# Altium PCB Mainboard.PcbDoc (part 2 of 4) (continued)
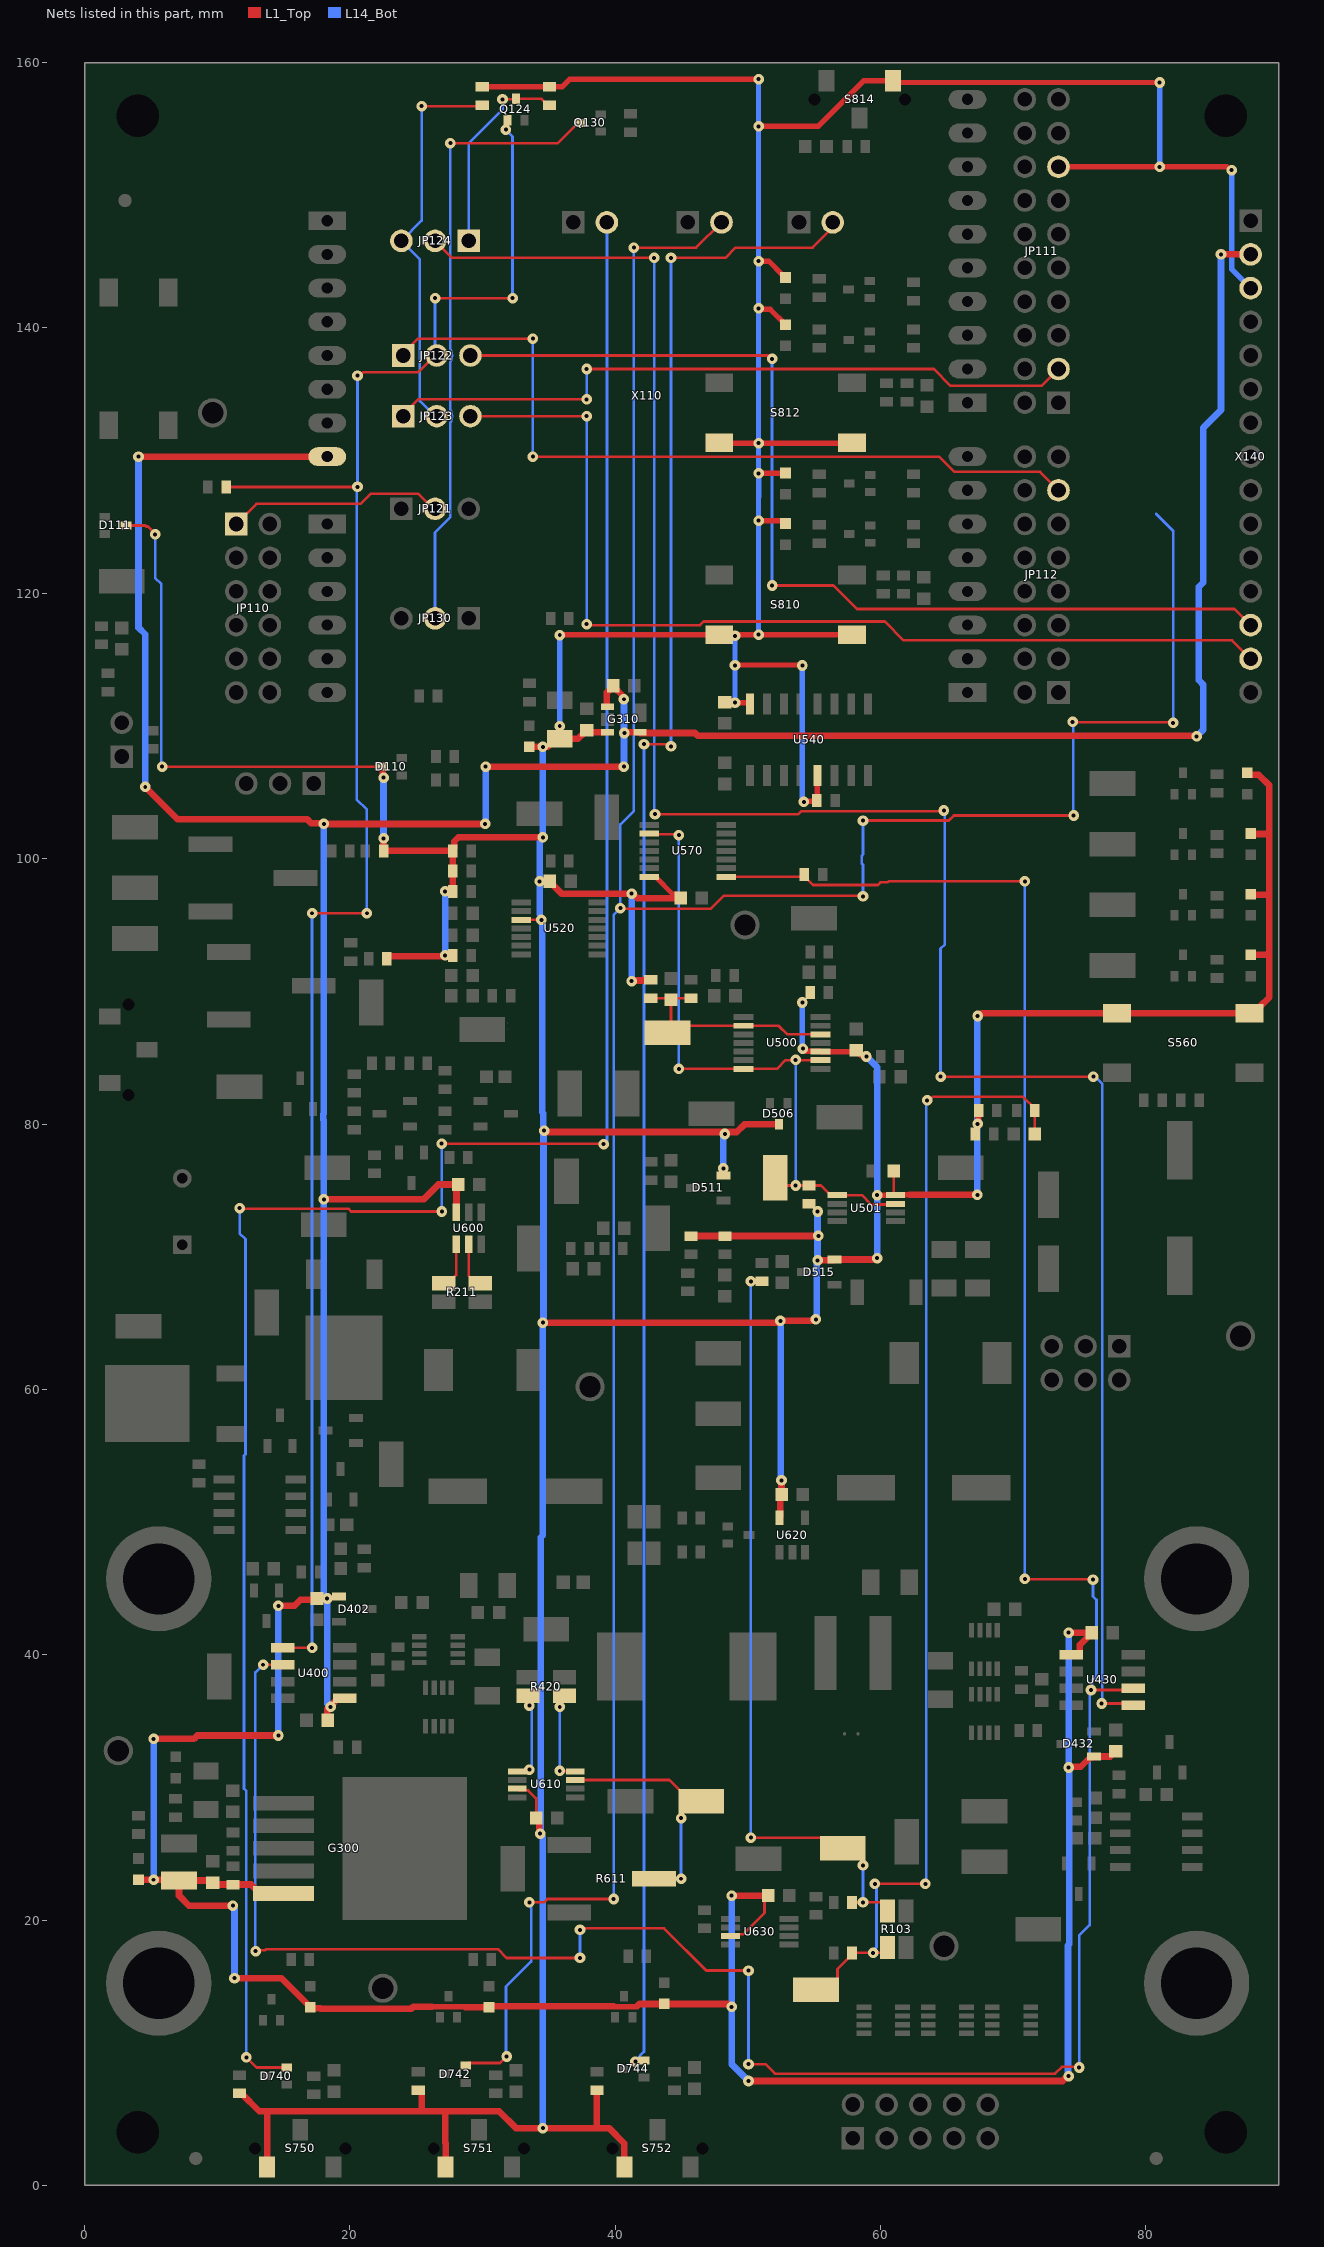
[diagram p2: the nets of this part, all layers, seen from the top]
## Part data (continued)
U410 U440: library part 644198, "General Purpose Timers", Manufacturer=Renesas, Package Description="SOIC,1.27mm pitch;8 pin,3.90mm W X 4.90mm L X 1.75mm H body", Supplier Part Number 1=9663754, Temperature max=85, Temperature min=-25, Temperature Range=Military, Voltage DC (max)=na, Alternate View=Yes, Application="Standard Interface", Article Number=644198, Automotive Qualified=No, Combined Parameters="Standard Interface Clock Buffer;Vdc min/max:2V/18V;Iout:100mA;Fmax:1MHz", ComponentLink1Description="Vendor WebSite", ComponentLink1URL=http://www.renesas.eu/, ComponentLink2Description=Datasheet, ComponentLink2URL=http://webnetprod.muc.infineon.com/PCBPortal_Prod/WorkFlows/AltiumComponent/StandardDocumentation?Versionid=644199, ComponentStatus=Released, Legacy DeviceID=REN_ICM7555IBAZ, Manufacturer Order Number=ICM7555IBAZ, Multiple Parts=No, PackageReference=SOIC-8, Part Type="Integrated Circuit", PLMStatus=Active, QuickPick=SOIC-8, ROHS Compliant=Y, Second Source allowed=Yes, Supplier 1=Farnell, Supplier 2=DigiKey, Supplier 3=Mouser, Supplier Part Number 2=ICM7555IBAZ-TCT-ND, Supplier Part Number 3=968-ICM7555IBAZ, Symbol Type="General Purpose Timer", Type="Clock Buffer", Version Number=V01
U500 U520: library part 409035, "Quad Differential Comparator", Legacy PartNumber=IC02600564, Manufacturer="Texas Instruments", Supplier Part Number 1=2436009, Temperature max=0, Temperature Range=Military, Voltage DC (max)=na, Alternate View=Yes, Article Number=409035, Automotive Qualified=No, Combined Parameters=Res.:-;Fmax:-, ComponentLink1Description="Vendor WebSite", ComponentLink1URL=http://www.ti.com, ComponentLink2Description=Datasheet, ComponentLink2URL=http://webnetprod.muc.infineon.com/PCBPortal_Prod/WorkFlows/AltiumComponent/StandardDocumentation?Versionid=409036, ComponentStatus=Released, Legacy DeviceID=TI_LM339, Manufacturer Order Number=LM339PWR, PackageReference="TSSOP-14 (PW)", Part Type="Analog Parts", PLMStatus=Active, QuickPick="TSSOP-14 (PW)", Second Source allowed=Yes, Supplier 1=Farnell, Supplier 2=DigiKey, Supplier 3=Mouser, Supplier Part Number 2=296-6607-2-ND, Supplier Part Number 3=595-LM339PWR, Symbol Type="Quad Differential Comparator", Temperature min=0, Version Number=V01
U501: library part 648281, "Low-Power Open-Drain Output Comparator", Manufacturer="Microchip Technology", Package Description="SOP,0.65mm pitch;8 pin,3.00mm W X 3.00mm L X 1.10mm H body", Supplier Part Number 1=1834862, Temperature max=125, Temperature min=-40, Temperature Range=Automotive, Voltage DC (max)=na, Alternate View=Yes, Application="Power Electronics", Article Number=648281, Automotive Qualified=No, Combined Parameters=Res.:-;Fmax:4MHz, ComponentLink1Description="Vendor WebSite", ComponentLink1URL=http://www.microchip.com/, ComponentLink2Description=Datasheet, ComponentLink2URL=http://webnetprod.muc.infineon.com/PCBPortal_Prod/WorkFlows/AltiumComponent/StandardDocumentation?Versionid=648282, ComponentStatus=Released, Legacy DeviceID=MT_MCP6567-E/MS, Manufacturer Order Number=MCP6567-E/MS, Multiple Parts=Yes, PackageReference="MSOP-8 (MS)", Part Type="Analog Parts", PLMStatus=Active, QuickPick="Comparator / MSOP-8 (MS)", ROHS Compliant=Y, Second Source allowed=Yes, Supplier 1=Farnell, Supplier 2=DigiKey, Supplier 3=Mouser, Supplier Part Number 2=MCP6567-E/MS-ND, Supplier Part Number 3=579-MCP6567-E/MS, Symbol Type="Low-Power Open-Drain Output Comparator", Type=Comparator, Version Number=V00
U540: library part 648079, "Quad R/S latch with 3-state outputs", Manufacturer=Nexperia, Package Description="SOIC,1.27mm pitch;16 pin,3.90mm W X 9.90mm L X 1.75mm H body", Temperature max=85, Temperature min=-40, Temperature Range=Industrial, Voltage DC (max)=na, Alternate View=No, Article Number=648079, Automotive Qualified=No, Combined Parameters="- Digital;Vdc min/max:3V/15V;Iout:2.4mA;Fmax:-", ComponentLink1Description="Vendor WebSite", ComponentLink1URL=http://www.nexperia.com, ComponentLink2Description=Datasheet, ComponentLink2URL=http://webnetprod.muc.infineon.com/PCBPortal_Prod/WorkFlows/AltiumComponent/StandardDocumentation?Versionid=648080, ComponentStatus=Released, Legacy DeviceID=NEX_HEF4043BT,653, Manufacturer Order Number=HEF4043BT,653, Multiple Parts=No, PackageReference=SO-16, Part Type="Integrated Circuit", PLMStatus=Active, QuickPick=SO-16, ROHS Compliant=Y, Second Source allowed=Yes, Supplier 1=Farnell, Supplier 2=DigiKey, Supplier 3=Mouser, Supplier Part Number 2=1727-1799-1-ND, Supplier Part Number 3=771-HEF4043BT653, Symbol Type="Quad R/S latch with 3-state outputs", Type=Digital, Version Number=V00
U570: library part 648286, "Dual 4-input NOR gate, Inputs also include clamp diodes that enable the use of current limiting resistors", Manufacturer=Nexperia, Package Description="SOP,0.65mm,pitch;14 pin,4.40mm W X 5.00mm L X 1.10mm H body", Supplier Part Number 1=3441850, Temperature max=125, Temperature min=-40, Temperature Range=Automotive, Voltage DC (max)=na, Alternate View=Yes, Application="Power Electronics", Article Number=648286, Automotive Qualified=No, Combined Parameters="Power Electronics Digital;Vdc min/max:2V/6V;Iout:25mA;Fmax:-", ComponentLink1Description="Vendor WebSite", ComponentLink1URL=http://www.nexperia.com, ComponentLink2Description=Datasheet, ComponentLink2URL=http://webnetprod.muc.infineon.com/PCBPortal_Prod/WorkFlows/AltiumComponent/StandardDocumentation?Versionid=648287, ComponentStatus=Released, Legacy DeviceID=NEX_74HC4002PW,118, Manufacturer Order Number=74HC4002PW,118, Multiple Parts=Yes, PackageReference="TSSOP14 (SOT402-1)", Part Type="Integrated Circuit", PLMStatus=Active, QuickPick="TSSOP14 (SOT402-1)", ROHS Compliant=Y, Second Source allowed=Yes, Supplier 1=Farnell, Supplier 2=DigiKey, Supplier 3=Mouser, Supplier Part Number 2=1727-6600-1-ND, Supplier Part Number 3=771-HC4002PW118, Symbol Type="Dual 4-input NOR gate", Type=Digital, Version Number=V00
U600: library part 644045, "Low-Cost, Voltage-Output, High-Side Current-Sense Amplifier", Manufacturer="Maxim Integrated Products", Package Description="SOT,0.95mm pitch;6 pin,1.625mm W X 2.90mm L X 1.45mm H body", Supplier Part Number 1=2515284, Temperature max=125, Temperature min=-40, Temperature Range=Automotive, Voltage DC (max)=na, Alternate View=No, Application="Power Supply", Article Number=644045, Automotive Qualified=Yes, Combined Parameters=Res.:-;Fmax:-, ComponentLink1Description="Vendor WebSite", ComponentLink1URL=http://www.maxim-ic.com/, ComponentLink2Description=Datasheet, ComponentLink2URL=http://webnetprod.muc.infineon.com/PCBPortal_Prod/WorkFlows/AltiumComponent/StandardDocumentation?Versionid=644046, ComponentStatus=Released, Legacy DeviceID=MIP_MAX4073FAUT+T, Manufacturer Order Number=MAX4073FAUT+T, Multiple Parts=No, PackageReference=SOT23-6, Part Type="Analog Parts", PLMStatus=Active, QuickPick="Amplifier / SOT23-6", ROHS Compliant=Y, Second Source allowed=Yes, Supplier 1=Farnell, Supplier 2=DigiKey, Supplier 3=Mouser, Supplier Part Number 2=MAX4073FAUT+TCT-ND, Supplier Part Number 3=700-MAX4073FAUT+T, Symbol Type="Low-Cost, Voltage-Output, High-Side Current-Sense Amplifier", Type=Amplifier, Version Number=V01
U610: library part 645975, "Current Sense Amplifiers Current-Sense Amplifier W / PWM Rejection", Manufacturer="Maxim Integrated Products", Package Description="SOP,0.65mm pitch;8 pin,3.00mm W X 3.00mm L X 1.10mm H body", Supplier Part Number 1=3288156, Temperature max=125, Temperature min=-40, Temperature Range=Automotive, Voltage DC (max)=na, Alternate View=No, Application="Power Electronics", Article Number=645975, Automotive Qualified="AEC Q100", Combined Parameters=Res.:-;Fmax:-, ComponentLink1Description="Vendor WebSite", ComponentLink1URL=http://www.maxim-ic.com/, ComponentLink2Description=Datasheet, ComponentLink2URL=http://webnetprod.muc.infineon.com/PCBPortal_Prod/WorkFlows/AltiumComponent/StandardDocumentation?Versionid=645976, ComponentStatus=Released, Legacy DeviceID=MIP_MAX40056TAUA+, Manufacturer Order Number=MAX40056TAUA+, Multiple Parts=No, PackageReference=uMAX-8, Part Type="Analog Parts", PLMStatus=Active, QuickPick="Amplifier / uMAX-8", ROHS Compliant=Y, Second Source allowed=Yes, Supplier 1=Farnell, Supplier 2=DigiKey, Supplier 3=Mouser, Supplier Part Number 2=175-MAX40056TAUA+-ND, Supplier Part Number 3=700-MAX40056TAUA+, Symbol Type="Bidirectional Current Sense Amplifier with PWM-Rejection", Type=Amplifier, Version Number=V01
U620: library part 646034, "Low- and High-Side Voltage Output, Current-Sense Amplifier", Manufacturer="Texas Instruments", Package Description="SOT,0.95mm pitch;5 pin,1.60mm W X 2.90mm L X 1.45mm H body", Temperature max=125, Temperature min=-40, Temperature Range=Automotive, Voltage DC (max)=na, Alternate View=Yes, Application="Power Electronics", Article Number=646034, Automotive Qualified=No, Combined Parameters=Res.:-;Fmax:-, ComponentLink1Description="Vendor WebSite", ComponentLink1URL=http://www.ti.com, ComponentLink2Description=Datasheet, ComponentLink2URL=http://webnetprod.muc.infineon.com/PCBPortal_Prod/WorkFlows/AltiumComponent/StandardDocumentation?Versionid=646035, ComponentStatus=Released, Legacy DeviceID=TI_INA180A1IDBVR, Manufacturer Order Number=INA180A1IDBVR, Multiple Parts=Yes, PackageReference="SOT-23 (DBV)", Part Type="Analog Parts", PLMStatus=Active, QuickPick="Amplifier / SOT-23 (DBV)", ROHS Compliant=Y, Second Source allowed=Yes, Supplier 1=Farnell, Supplier 2=DigiKey, Supplier 3=Mouser, Supplier Part Number 2=296-47652-1-ND, Supplier Part Number 3=595-INA180A1IDBVR, Symbol Type="1-MHz, High-Precision Current Sense Amplifier", Type=Amplifier, Version Number=V01
U630: library part 648334, "Automotive, High-Voltage, Precision, Rail-to-Rail In, Rail-to-Rail Out Op Amp, Inverter and Motor Control Applications", Manufacturer="Texas Instruments", Package Description="SOP,0.65mm pitch;8 pin,3.00mm W X 3.00mm L X 1.10mm H body", Temperature max=125, Temperature min=-40, Temperature Range=Automotive, Voltage DC (max)=na, Alternate View=Yes, Application="Power Supply", Article Number=648334, Automotive Qualified="AEC Q100", Combined Parameters=Res.:-;Fmax:-, ComponentLink1Description="Vendor WebSite", ComponentLink1URL=http://www.ti.com, ComponentLink2Description=Datasheet, ComponentLink2URL=http://webnetprod.muc.infineon.com/PCBPortal_Prod/WorkFlows/AltiumComponent/StandardDocumentation?Versionid=648335, ComponentStatus=Released, Legacy DeviceID=TI_TLV197QDGKRQ1, Manufacturer Order Number=TLV197QDGKRQ1, Multiple Parts=Yes, PackageReference=VSSOP-8(DGK), Part Type="Analog Parts", PLMStatus=Active, QuickPick="Amplifier / VSSOP-8(DGK)", ROHS Compliant=Y, Second Source allowed=Yes, Supplier 1=Farnell, Supplier 2=DigiKey, Supplier 3=Mouser, Supplier Part Number 2=296-TLV197QDGKRQ1CT-ND, Supplier Part Number 3=595-TLV197QDGKRQ1, Symbol Type="High-Precision, Low-Noise, Rail-to-Rail Output, JFET Op Amp", Type=Amplifier, Version Number=V00
W100 W500: library part 453053, "SMD Net Tie for two Nets", Legacy PartNumber=CON01501379, Manufacturer="Infineon Technologies", Package Description="SMD Net Tie 0.2mm x 0.6mm", Temperature max=0, Temperature Range=Military, Voltage DC (max)=na, Alternate View=Yes, Article Number=453053, Combined Parameters="- onboard connector;-x-;Mounting:SMT;Orient:-;Shielded:-", ComponentLink1Description="Vendor WebSite", ComponentLink1URL=https://www.infineon.com/, ComponentLink2Description=Datasheet, ComponentStatus=Released, Legacy DeviceID="CON_Net Tie_small_2p", Manufacturer Order Number="Net Tie_small_2p", PackageReference=SMD, Part Type=Connector, PLMStatus=Active, Second Source allowed=Yes, Supplier 1=Farnell, Supplier 2=DigiKey, Supplier 3=Mouser, Symbol Type="Net Tie for two Nets", Temperature min=0, Version Number=V01
X100 X101 X102 X103: library part 599069, "Non Insulated Jack, Brass", Manufacturer="Keystone Electronics Corp.", Package Description="Terminal; 1 pin, 7.92 mm D X 2.51 mm H body", Temperature max=0, Temperature Range=Military, Voltage DC (max)=na, Alternate View=Yes, Article Number=599069, Automotive Qualified=No, Combined Parameters="Board-to-Cable Socket (female);-x-;Mounting:THT;Orient:0° (vertical);Shielded:No", ComponentLink1Description="Vendor WebSite", ComponentLink1URL=http://www.keyelco.com/, ComponentLink2Description=Datasheet, ComponentLink2URL=http://webnetprod.muc.infineon.com/PCBPortal_Prod/WorkFlows/AltiumComponent/StandardDocumentation?Versionid=599070, ComponentStatus=Released, Legacy DeviceID=KEY_575-8, Manufacturer Order Number=575-8, Multiple Parts=No, PackageReference=THT, Part Type=Connector, PLMStatus=Active, QuickPick="0° (vertical) / Board-to-Cable", ROHS Compliant=N, Second Source allowed=Yes, Style=Banana, Supplier 1=Farnell, Supplier 2=DigiKey, Supplier 3=Mouser, Supplier Part Number 2=36-575-8-ND, Supplier Part Number 3=534-575-8, Symbol Type="Connector, 1 Lead, Female", Temperature min=0, Type=Board-to-Cable, Version Number=V01
X110: library part 644888, "Arduino Uno is a microcontroller board based on the ATmega328P", Manufacturer="Infineon Technologies", Package Description="Arduino-Uno, THT, 32 Pin, 68.58 mm L X 53.34 mm W X 8.64 mm H body", Temperature max=85, Temperature min=-40, Temperature Range=Industrial, Voltage DC (max)=na, Alternate View=Yes, Article Number=644888, Automotive Qualified=No, Combined Parameters="Board-to-Board Socket (female);-x-;Mounting:THT;Orient:0° (vertical);Shielded:-", ComponentLink1Description="Vendor WebSite", ComponentLink1URL=https://www.infineon.com/, ComponentLink2Description=Datasheet, ComponentStatus=Released, Legacy DeviceID=Infineon_Arduino-Uno, Manufacturer Order Number=Arduino-Uno, Multiple Parts=Yes, PackageReference=THT, Part Type=Connector, PLMStatus=Active, QuickPick="0° (vertical) / Board-to-Board", ROHS Compliant=N, Second Source allowed=Yes, Supplier 1=Farnell, Supplier 2=DigiKey, Supplier 3=Mouser, Symbol Type="Arduino Uno is a microcontroller board based on the ATmega328P", Type=Board-to-Board, Version Number=V01
X140: library part 651701, "WR-PHD Pin Header, 2.54mm Pitch, Single row, 15 Pins", Manufacturer="Wurth Elektronik", Package Description="Connector, THT, 2.54 mm Pitch, 15 pin, 2.54 mm L X 38.10 mm W X 8.89 mm H body", Supplier Part Number 1=2356165, Temperature max=105, Temperature min=-40, Temperature Range=Industrial, Voltage DC (max)=na, Alternate View=No, Article Number=651701, Automotive Qualified=No, Combined Parameters="Board-to-Board Header (male);1x15;Mounting:THT;Orient:0° (vertical);Shielded:No", ComponentLink1Description="Vendor WebSite", ComponentLink1URL=http://www.we-online.com, ComponentLink2Description=Datasheet, ComponentLink2URL=http://webnetprod.muc.infineon.com/PCBPortal_Prod/WorkFlows/AltiumComponent/StandardDocumentation?Versionid=651702, ComponentStatus=Released, Legacy DeviceID=WE_61301511121, Manufacturer Order Number=61301511121, Multiple Parts=No, PackageReference="2.54mm THT", Part Type=Connector, PLMStatus=Active, QuickPick="0° (vertical) / Board-to-Board", ROHS Compliant=Y, Second Source allowed=Yes, Style=Strip, Supplier 1=Farnell, Supplier 2=DigiKey, Supplier 3=Mouser, Supplier Part Number 2=732-5326-ND, Supplier Part Number 3=710-61301511121, Symbol Type="Header 15 Pins", Type=Board-to-Board, Version Number=V00
X150: library part 638630, "WR-BHD Male Box Header, 2.54mm pitch, 10 pin, Vertical, Double row", Manufacturer="Wurth Elektronik", Package Description="Connector, THT, 2.54mm Pitch; 10 Pins, 9.10 mm L X 20.36 mm W X 9.25 mm H body", Supplier Part Number 1=1642019, Temperature max=105, Temperature min=-40, Temperature Range=Industrial, Voltage DC (max)=na, Article Number=638630, Automotive Qualified=No, Combined Parameters="Board-to-Board/Cable Header (male);5x2;Mounting:THT;Orient:0° (vertical);Shielded:No", ComponentLink1Description="Vendor WebSite", ComponentLink1URL=http://www.we-online.com, ComponentLink2Description=Datasheet, ComponentLink2URL=http://webnetprod.muc.infineon.com/PCBPortal_Prod/WorkFlows/AltiumComponent/StandardDocumentation?Versionid=638631, ComponentStatus=Released, Legacy DeviceID=WE_61201021621, Manufacturer Order Number=61201021621, PackageReference=THT, Part Type=Connector, PLMStatus=Active, QuickPick="0° (vertical) / Board-to-Board/Cable", ROHS Compliant=Y, Second Source allowed=Yes, Style=Strip, Supplier 1=Farnell, Supplier 2=DigiKey, Supplier 3=Mouser, Supplier Part Number 2=732-2094-ND, Supplier Part Number 3=710-61201021621, Type=Board-to-Board/Cable, Version Number=V01

## Via types
v1: diameter 0.8, hole 0.3, L1_Top to L14_Bot, tented both sides, 776 vias

## Nets (pads, with @x,y where several pads share a name; then routed paths per layer and width w, separated by ;. In a path a pad name is that pad's centre, name@x,y a point inside that pad or via, vN(x,y) a via of type N, cw(c..) or ccw(c..) an arc to the next point about the centre after c; other vN are vias at no path point)
3V3: C311.2 C312.2 C500.1 C501.1 C520.1 C540.2 C570.1 C610.2 C620.2 D110.3 D111.3 D340.2 D506.3 D511.2 D515.2 D550.2 D551.2 D552.2 D553.2 D801.2 D803.2 D805.2 D807.2 G310.3 JP111.15 R123.1 R124.2 R500.1 R501.2 R502.1 R504.1 R508.1 R509.2 R512.1 R513.2 R520.1 R522.2 R525.1 R527.1 R529.2 R532.1 R740.2 R742.2 R744.2 S560.3 S560.4 S750.1 S751.1 S752.1 S810.3 S810.4 S812.3 S812.4 S814.1 U500.3 U501.8 U520.3 U540.5 U540.16 U570.14 U610.3 U620.5 X140.3 | length 619.6
  L1_Top w0.2: D111.3@3.124,125.11 4.579,125.11 4.659,125.03 4.773,125.03 5.314,124.489 v1(5.314,124.44) ; v1(5.842,106.934) D110.3@22.314,106.934 ; U610.3@32.598,29.901 32.723,29.776 33.422,29.776 34.036,29.162 C610.2@34.036,27.686 ; U520.3@32.914,95.392 v1(34.432,95.392) ; C501.1@60.998,76.454 60.998,74.76 61.123,74.635 U501.8@61.128,74.635
  L1_Top w0.4: R123.1@29.972,158.17 R124.2@35.052,158.17 35.996,158.17 36.576,158.75 v1(50.8,158.75) ; C312.2@35.514,109.04 35.814,109.34 v1(35.814,109.982) ; v1(35.814,116.84) 35.85,116.876 S810.3@47.832,116.876 ; U570.14@42.566,98.634 43.016,98.634 44.372,97.278 ; S812.3@47.832,131.354 47.868,131.318 v1(50.8,131.318) 57.796,131.318 S812.4@57.832,131.354 ; v1(49.022,111.76) 50.071,111.76 U540.16@50.165,111.666 ; v1(49.022,114.572) 49.04,114.572 49.06,114.592 54.064,114.592 v1(54.102,114.554) ; v1(49.022,116.786) 47.922,116.786 S810.3@47.832,116.876 ; v1(50.8,125.476) 52.398,125.476 52.414,125.46 52.632,125.46 D801.2@52.832,125.26 ; v1(50.8,141.478) 50.877,141.401 51.676,141.401 D805.2@52.832,140.246 ; v1(50.8,145.034) 50.81,145.024 51.572,145.024 52.594,144.002 52.632,144.002 D807.2@52.832,143.802 ; v1(50.8,155.194) 55.287,155.194 58.719,158.626 S814.1@60.92,158.626 ; v1(50.809,129.041) 50.824,129.056 52.818,129.056 D803.2@52.832,129.07 ; v1(54.216,104.28) 54.273,104.337 55.133,104.337 55.217,104.422 55.217,106.239 U540.5@55.245,106.266 ; v1@54.438,85.481 55.453,85.481 U500.3@55.478,85.456 C500.1@58.062,85.456 ; S810.4@57.832,116.876 v1(50.8,116.876) S810.3@47.832,116.876 ; v1(59.731,74.635) U501.8@61.123,74.635 ; U501.8@61.128,74.635 61.153,74.66 62.214,74.66 ; S814.1@61.174,158.626 61.304,158.496 v1(81.026,158.496) ; JP111.15@74.168,152.146 v1(81.026,152.146) 86.089,152.146 86.343,151.892 v1(86.452,151.892)
  L1_Top w0.5: R740.2@11.684,6.93 11.819,6.93 13.161,5.588 13.716,5.588 ; S750.1@13.756,1.394 13.756,5.548 13.716,5.588 ; D110.3@22.314,106.934 22.414,106.934 22.464,106.884 22.464,106.784 22.477,106.771 22.477,106.157 v1(22.534,106.1) ; v1(22.534,101.528) R529.2@22.534,100.584 R520.1@27.639,100.584 ; R522.2@22.788,92.456 22.788,92.543 22.898,92.653 27.121,92.653 v1(27.178,92.71) ; R742.2@25.4,7.184 25.4,5.588 ; 27.178,5.588 27.178,3.207 27.218,3.167 S751.1@27.218,1.394 ; v1(27.178,97.536) R532.1@27.758,97.536 R527.1@27.758,99.06 R520.1@27.758,100.584 27.758,100.719 27.868,100.829 27.868,101.307 28.161,101.6 v1(34.544,101.6) ; D340.2@33.528,108.42 v1(34.544,108.42) 34.894,108.42 35.514,109.04 C312.2@35.814,109.04 37.196,109.04 C311.2@37.596,109.44 ; C610.2@34.036,27.686 34.261,27.461 34.261,26.679 34.34,26.6 v1(34.34,26.519) ; v1(34.295,98.293) 34.297,98.296 35.05,98.296 C520.1@35.052,98.298 35.052,98.273 35.977,97.348 37.759,97.348 37.778,97.367 v1(41.233,97.367) 41.314,97.367 41.653,97.028 C570.1@44.92,97.028 ; v1(34.544,65.024) 52.221,65.024 52.359,65.162 54.921,65.162 55.037,65.278 v1(55.118,65.278) ; v1(34.644,79.502) 34.701,79.445 34.855,79.445 34.903,79.397 49.155,79.397 49.73,79.972 D506.3@52.324,79.972 ; C311.2@37.846,109.69 37.996,109.54 G310.3@39.415,109.54 ; R744.2@38.608,7.184 38.608,4.318 ; S752.1@40.68,1.394 40.68,3.167 39.529,4.318 38.608,4.318 ; v1(41.233,90.763) 41.281,90.811 42.624,90.811 R504.1@42.672,90.86 ; 44.372,97.278 C570.1@44.695,97.278 ; R508.1@45.72,71.556 R509.2@48.26,71.556 48.265,71.561 55.295,71.561 v1(55.3,71.566) ; U620.5@52.39,50.322 52.44,50.372 52.44,52.059 52.532,52.151 52.532,53.132 v1(52.523,53.141) ; v1(55.245,69.723) 56.461,69.723 D515.2@56.522,69.784 59.543,69.784 59.65,69.891 v1(59.731,69.891) ; C500.1@58.062,85.456 C500.1@58.166,85.56 58.191,85.56 C500.1@58.604,85.147 ; 62.214,74.66 v1(67.294,74.66) ; v1(67.31,80.01) 67.346,80.046 67.346,80.99 R513.2@67.382,81.026 ; v1@67.609,88.356 S560.4@77.804,88.356 S560.3@87.804,88.356 88.154,88.356 88.604,88.806 88.604,88.858 89.3,89.554 89.3,92.964 ; D550.2@87.63,106.464 87.78,106.314 88.504,106.314 89.3,105.518 89.3,101.854 ; D553.2@87.884,92.748 89.084,92.748 89.3,92.964 ; D552.2@87.884,97.32 87.922,97.282 89.3,97.282 ; D551.2@87.884,101.892 87.922,101.854 89.3,101.854 ; 13.716,5.588 25.4,5.588 ; 25.4,5.588 31.242,5.588 32.512,4.318 v1(34.544,4.318) 38.608,4.318 ; 89.3,92.964 89.3,97.282 ; 89.3,97.282 89.3,101.854
  L14_Bot w0.2: v1(5.314,124.44) 5.314,121.165 5.78,120.699 v1@5.78,107.126 ; v1(34.432,95.392) v1@34.494,95.454
  L14_Bot w0.4: v1(35.814,109.982) v1(35.814,116.84) ; v1(49.022,111.76) v1(49.022,114.572) v1(49.022,116.786) ; v1(50.8,116.876) 50.8,127.263 ; v1@50.8,129.041 v1(50.8,131.318) v1(50.8,141.478) v1(50.8,145.034) v1(50.8,155.194) v1(50.8,158.75) ; 50.809,127.263 v1(50.809,129.041) ; v1(54.102,89.154) 54.102,85.709 v1(54.132,85.679) ; v1@54.102,104.28 v1(54.102,114.554) ; v1(81.026,152.146) v1(81.026,158.496) ; v1(86.452,151.892) 86.452,144.434 X140.3@87.884,143.002
  L14_Bot w0.5: v1(22.534,101.528) v1(22.534,106.1) ; v1(27.178,92.71) v1@27.178,97.282 ; 34.295,95.828 34.295,101.269 34.544,101.519 v1(34.544,108.42) ; v1(34.34,26.519) 34.378,26.557 34.378,48.856 34.544,49.022 v1(34.544,65.024) 34.594,65.074 34.594,79.467 34.559,79.502 34.559,80.811 34.494,80.876 v1@34.494,95.454 ; v1(34.544,4.318) v1@34.544,26.233 ; v1(41.233,90.763) v1(41.233,97.367) ; v1(48.14,76.651) 48.14,79.127 v1(48.26,79.247) ; v1(52.44,65.162) 52.482,65.12 52.482,53.182 v1(52.523,53.141) ; v1(55.118,65.278) 55.181,65.341 55.181,69.659 v1(55.245,69.723) v1(55.245,73.406) ; v1(58.928,85.09) 59.731,84.287 v1(59.731,74.635) v1(59.731,69.891) ; v1(67.294,74.66) v1@67.294,80.01 ; v1@67.294,80.264 67.294,88.122 v1(67.31,88.138) ; v1(67.31,80.01) v1@67.31,80.264
12V: C302.2 C303.2 C310.2 C400.2 C403.2 C430.2 C433.2 C600.2 C630.2 D330.2 D402.1 D432.1 D741.2 D743.2 D745.2 G300.5 G310.1 G310.4 R300.2 U400.5 U430.5 U600.3 U630.7 X110.8A X140.2 | length 435.6
  L1_Top w0.2: U630.7@48.686,18.796 48.811,18.921 49.629,18.921 51.246,20.538 51.246,21.566 C630.2@51.524,21.844
  L1_Top w0.4: 26.162,13.462 28.664,13.462 28.702,13.424 ; 39.878,13.512 39.928,13.462 41.556,13.462 41.606,13.512
  L1_Top w0.5: D330.2@4.064,23.038 v1(5.207,23.038) 7.058,23.038 C303.2@7.112,22.984 ; v1(4.064,130.302) X110.8A@18.288,130.302 ; v1(4.572,105.41) 7.024,102.958 16.79,102.958 17.075,102.673 17.977,102.673 v1(18.034,102.616) v1(30.185,102.616) ; v1(5.207,33.655) 8.24,33.655 8.494,33.909 v1(14.605,33.909) ; v1(11.176,21.082) 7.874,21.082 7.112,21.844 C303.2@7.112,22.984 ; v1(11.303,15.621) 14.821,15.621 D741.2@17.018,13.424 17.076,13.366 17.749,13.366 17.806,13.309 24.612,13.309 24.765,13.462 26.162,13.462 ; v1(14.605,43.688) 15.821,43.688 16.276,44.143 17.435,44.143 C403.2@17.526,44.234 ; G300.5@15.009,21.971 13.259,21.971 12.552,22.678 R300.2@11.176,22.678 9.796,22.678 C302.2@9.652,22.822 9.49,22.984 C303.2@7.112,22.984 ; v1(18.034,74.315) 25.547,74.315 26.67,75.438 C600.2@28.156,75.438 28.036,75.318 28.036,73.366 U600.3@28.006,73.336 ; v1@18.288,35.909 18.288,35.09 C400.2@18.326,35.052 ; v1(18.542,36.068) 18.599,36.125 18.599,36.22 19.082,36.703 U400.5@19.612,36.703 ; 28.702,13.424 D743.2@30.48,13.424 ; v1(30.226,106.934) v1(40.64,106.934) ; D743.2@30.822,13.512 39.878,13.512 ; G310.1@39.415,111.44 39.37,111.44 39.37,112.535 C310.2@39.84,113.005 ; C310.2@39.84,113.03 C310.2@39.84,113.005 ; v1(40.64,112.014) 40.64,112.205 C310.2@39.84,113.005 ; v1(40.681,109.474) 40.762,109.474 40.828,109.54 G310.4@41.865,109.54 ; 41.606,13.512 41.656,13.512 41.822,13.678 D745.2@43.688,13.678 48.471,13.678 48.687,13.462 v1(48.768,13.462) ; G310.4@41.865,109.474 46.003,109.474 46.204,109.273 83.767,109.273 v1(83.82,109.22) ; v1(48.768,21.844) C630.2@51.524,21.844 ; v1(50.038,7.874) 73.719,7.874 74.085,8.24 v1(74.166,8.24) ; v1(74.168,31.496) 74.225,31.553 75.084,31.553 75.805,32.274 76.03,32.274 D432.1@76.08,32.324 77.295,32.324 77.699,32.728 C433.2@77.724,32.728 ; v1(74.168,41.656) 75.883,41.656 75.908,41.631 75.008,40.731 75.008,40.115 74.898,40.005 U430.5@74.368,40.005 ; v1(85.652,145.542) X140.2@87.884,145.542
  L14_Bot w0.5: v1(4.064,130.302) 4.064,117.416 4.572,116.908 v1(4.572,105.41) ; v1(5.207,23.038) v1(5.207,33.655) ; v1(11.176,21.082) 11.176,21.001 11.303,20.874 v1(11.303,15.621) ; v1(14.605,33.909) v1(14.605,43.688) ; v1@18.034,44.234 v1(18.034,74.315) 18.034,80.264 17.987,80.311 17.987,80.725 18.034,80.772 v1(18.034,102.616) ; v1(18.288,44.234) 18.288,36.322 v1(18.542,36.068) ; v1(30.185,102.616) 30.226,102.657 v1(30.226,106.934) ; v1(40.64,106.934) 40.66,106.954 40.66,111.994 v1(40.64,112.014) ; v1(48.768,21.844) v1(48.768,13.462) 48.768,9.144 v1(50.038,7.874) ; v1(74.166,8.24) 74.118,8.288 74.118,18.08 74.218,18.18 74.218,31.446 v1(74.168,31.496) v1(74.168,41.656) ; v1(83.82,109.22) 84.328,109.728 84.328,113.098 83.986,113.44 83.986,120.494 84.328,120.836 84.328,132.487 85.652,133.81 v1(85.652,145.542)
\Cntrl1: D740.2 JP125.2 | length 169.6
  L1_Top w0.2: v1(11.684,73.66) 11.729,73.615 19.883,73.615 20.092,73.406 v1(26.924,73.406) ; v1(12.192,9.652) 12.954,8.89 D740.2@15.24,8.89 ; v1(26.911,78.518) v1@38.83,78.518
  L14_Bot w0.2: v1(11.684,73.66) 11.684,71.765 12.133,71.315 12.133,55.118 12.016,55.001 12.016,29.905 12.192,29.729 v1(12.192,9.652) ; v1(26.911,78.518) 26.917,78.511 26.917,73.413 v1(26.924,73.406) ; v1(39.116,78.486) 39.37,78.74 JP125.2@39.37,147.955
\Cntrl2: D742.2 JP126.2 | length 226.3
  L1_Top w0.2: D742.2@28.74,9.032 28.94,9.232 31.301,9.232 31.783,9.714 v1(31.809,9.714) ; v1(33.528,21.336) 34.619,21.336 34.873,21.59 v1(39.878,21.59) ; v1(40.383,96.266) 40.421,96.228 47.206,96.228 48.183,97.205 v1@58.674,97.205 ; v1(41.402,146.05) 46.101,146.05 JP126.2@48.006,147.955 ; v1(58.674,102.87) 65.133,102.87 65.514,103.251 v1(74.549,103.251) ; v1(74.478,110.307) 74.514,110.271 82.007,110.271 v1(82.042,110.236)
  L14_Bot w0.2: v1(31.809,9.714) 31.76,9.763 31.76,14.986 33.655,16.881 33.655,20.919 33.643,20.931 33.643,21.221 v1(33.528,21.336) ; v1(39.878,21.59) 39.878,95.758 40.383,96.263 v1(40.383,96.266) 40.383,102.569 41.402,103.588 v1(41.402,146.05) ; v1(58.674,97.155) 58.674,99.541 58.58,99.635 58.58,100.215 58.674,100.309 v1(58.674,102.87) ; v1(74.478,110.307) 74.514,110.271 74.514,103.286 v1(74.549,103.251) ; 80.772,125.984 82.042,124.714 v1(82.042,110.236)
\Cntrl3: D744.2 JP127.2 | length 152.9
  L1_Top w0.2: v1(41.509,9.328) 41.509,9.351 41.432,9.428 D744.2@42.164,9.428 ; v1(42.164,108.624) 44.03,108.624 v1(44.196,108.458) ; v1(44.196,145.288) 48.306,145.288 49.068,146.05 54.864,146.05 56.388,147.574 JP127.2@56.388,147.955
  L14_Bot w0.2: v1(41.509,9.328) 41.509,9.425 42.164,10.08 v1(42.164,108.624) ; v1(44.196,108.458) v1(44.196,145.288)
\Overcurr: R501.1 TP501.1 U500.2 U500.14 U501.1 U501.7 U570.9 | length 50.2
  L1_Top w0.2: U570.9@42.566,101.884 42.622,101.828 44.73,101.828 v1(44.786,101.772) ; v1(44.786,84.156) U500.14@49.678,84.156 52.19,84.156 52.841,84.806 U500.2@55.478,84.806 ; TP501.1@52.07,75.946 52.65,75.366 v1(53.594,75.366) R501.1@54.61,75.366 55.497,75.366 56.228,74.635 U501.1@56.728,74.635 58.578,74.635 59.278,73.935 61.078,73.935 U501.7@61.128,73.985
  L14_Bot w0.2: v1(44.786,84.156) v1(44.786,101.772) ; v1(53.594,75.366) v1(53.594,84.836)
\Shutdown: R112.1 U400.2 U430.2 U570.1 | length 218.4
  L1_Top w0.2: v1(12.892,17.653) 12.952,17.713 13.592,17.713 13.692,17.813 31.146,17.813 31.814,17.145 v1(37.338,17.145) ; v1(13.462,39.243) U400.2@14.932,39.243 ; v1(37.338,19.261) 37.453,19.376 37.791,19.376 37.794,19.379 43.671,19.379 46.856,16.194 v1(50.038,16.194) ; U570.1@48.366,98.634 54.074,98.634 R112.1@54.179,98.739 ; v1(50.038,9.144) 51.308,9.144 52.028,8.424 73.152,8.424 73.668,8.94 74.918,8.94 v1(74.968,8.89) ; R112.1@54.246,98.806 54.246,98.671 54.906,98.011 59.784,98.011 59.99,98.217 60.53,98.217 60.608,98.295 v1(70.869,98.295) ; v1(70.869,45.717) 70.9,45.686 75.915,45.686 75.946,45.717 v1(76.008,45.655) ; v1(75.858,37.338) 78.921,37.338 U430.2@79.048,37.465
  L14_Bot w0.2: v1(12.892,17.653) 12.872,17.672 12.872,38.653 v1(13.462,39.243) ; v1(37.338,17.145) v1(37.338,19.261) ; v1(50.038,9.144) v1(50.038,16.194) ; v1(70.869,45.717) 70.866,45.72 70.866,98.292 v1(70.869,98.295) ; v1(74.968,8.89) 74.968,18.834 75.754,19.62 75.754,37.276 v1@75.692,37.338 ; v1(75.858,37.338) v1@75.692,37.338 ; v1(76.008,45.655) 76.008,44.388 76.265,44.131 76.265,38.361 75.942,38.038 75.942,37.588 v1@75.692,37.338
A0: JP110.1 JP121.2 | length 16.3
  L1_Top w0.2: JP110.1@11.43,125.222 12.951,126.743 20.799,126.743 21.571,127.515 25.139,127.515 JP121.2@26.289,126.365
Blanking_NMOS: JP130.2 Q130.3 | length 46.7
  L1_Top w0.2: v1(27.566,153.924) 35.676,153.924 37.2,155.448 Q130.3@37.3,155.448
  L14_Bot w0.2: JP130.2@26.416,118.11 26.416,124.587 27.566,125.737 27.566,132.825 ccw(c26.543,133.35) 27.566,133.875 27.566,137.397 ccw(c26.543,137.922) 27.566,138.447 v1(27.566,153.924)
Boost_Cntrl: JP124.2 U430.1 | length 162.7
  L1_Top w0.2: JP124.2@26.416,146.558 27.686,145.288 v1(42.926,145.288) ; v1(42.99,103.359) 53.801,103.359 54.022,103.58 64.718,103.58 v1(64.77,103.632) ; v1(64.516,83.566) v1(76.027,83.566) ; v1(76.658,36.322) 78.921,36.322 U430.1@79.048,36.195
  L14_Bot w0.2: v1(42.926,145.288) 42.926,103.423 v1(42.99,103.359) ; v1(64.516,83.566) 64.516,93.224 64.834,93.542 64.834,103.568 v1(64.77,103.632) ; v1(76.027,83.566) 76.154,83.566 76.708,83.012 76.708,36.372 v1(76.658,36.322)
Boost_Cntrl_Arduino: JP111.3 JP123.1 | length 53.4
  L1_Top w0.2: JP123.1@23.876,133.35 25.146,134.62 v1(37.846,134.62) ; v1(37.846,136.906) 64.008,136.906 65.278,135.636 72.136,135.636 JP111.3@73.406,136.906
  L14_Bot w0.2: v1(37.846,134.62) v1(37.846,136.906)
Boost_Cntrl_Ext: JP123.3 X140.14 | length 75.9
  L1_Top w0.2: JP123.3@28.956,133.35 v1(37.846,133.35) ; v1(37.846,117.676) 37.92,117.602 46.384,117.602 46.658,117.876 60.31,117.876 61.734,116.452 86.494,116.452 X140.14@87.884,115.062
  L14_Bot w0.2: v1(37.846,117.676) v1(37.846,133.35)
Boost_Cntrl_indep: JP123.2 JP124.3 R123.2 | length 29.7
  L1_Top w0.2: v1(25.4,156.718) 29.9,156.718 R123.2@29.972,156.79
  L14_Bot w0.2: v1(25.4,156.718) 25.4,148.082 JP124.3@23.876,146.558 25.273,145.161 25.273,134.493 JP123.2@26.416,133.35
Buck_Cntrl: JP122.2 Q124.1 R122.2 U400.1 | length 142.8
  L1_Top w0.2: R122.2@10.668,128.016 v1(20.574,128.016) ; U400.1@14.932,40.513 v1(17.145,40.513) ; v1(17.145,95.885) v1(21.274,95.885) ; v1(20.574,136.398) 20.736,136.398 20.99,136.652 25.146,136.652 JP122.2@26.416,137.922 ; v1(26.416,142.24) v1(32.258,142.24) ; v1(31.75,154.94) 31.75,155.552 Q124.1@31.862,155.664
  L14_Bot w0.2: v1@17.138,95.885 17.141,95.882 17.141,40.516 v1(17.145,40.513) ; v1(20.574,136.398) v1(20.574,128.016) 20.511,127.953 20.511,104.457 21.274,103.694 v1(21.274,95.885) ; JP122.2@26.416,137.922 v1(26.416,142.24) ; v1(31.75,154.94) 32.258,154.432 v1(32.258,142.24)
Buck_Cntrl_Arduino: JP112.13 JP122.1 | length 60
  L1_Top w0.2: JP122.1@23.876,137.922 25.146,139.192 v1(33.782,139.192) ; v1(33.782,130.302) 64.407,130.302 65.557,129.152 72.009,129.152 ; 72.016,129.152 JP112.13@73.406,127.762
  L14_Bot w0.2: v1(33.782,130.302) v1(33.782,139.192)
Buck_Cntrl_Ext: JP122.3 X140.13 | length 77.4
  L1_Top w0.2: JP122.3@28.956,137.922 51.562,137.922 v1(51.816,137.668) ; v1(51.816,120.588) 56.446,120.588 58.213,118.821 86.665,118.821 X140.13@87.884,117.602
  L14_Bot w0.2: v1(51.816,120.588) v1(51.816,137.668)
Buck_Cntrl_Inv: JP124.1 Q124.3 R124.1 | length 15.5
  L1_Top w0.2: v1(31.496,157.226) 32.474,157.226 Q124.3@32.512,157.264 34.443,157.264 34.917,156.79 R124.1@35.052,156.79
  L14_Bot w0.2: JP124.1@28.956,146.558 28.956,153.924 31.496,156.464 v1(31.496,157.226)
CIP: R611.2 TP611.1 U610.7 | length 18.4
  L1_Top w0.2: U610.7@36.998,30.551 44.087,30.551 45.682,28.956 TP611.1@45.783,28.956 ; R611.2@42.926,23.114 v1(44.958,23.114) ; v1(44.958,27.686) 44.958,28.131 TP611.1@45.783,28.956 ; TP611.1@46.482,28.956 TP611.1@45.783,28.956
  L14_Bot w0.2: v1(44.958,23.114) v1(44.958,27.686)
Curr_In+: R211.4 U600.4 | length 3.5
  L1_Top w0.2: R211.4@27.073,68.01 27.398,68.01 28.006,68.618 U600.4@28.006,70.936
Curr_In-: R211.3 U600.5 | length 3.5
  L1_Top w0.2: U600.5@28.956,70.936 28.956,68.552 29.498,68.01 R211.3@29.823,68.01
Curr_Inductor+: R420.3 U610.1 | length 6.9
  L1_Top w0.2: U610.1@32.598,31.201 32.663,31.266 33.463,31.266 v1(33.528,31.33) ; R420.3@33.423,36.892 33.528,36.787 v1(33.528,36.156)
  L14_Bot w0.2: v1(33.528,31.33) 33.694,31.33 33.694,36.156 v1(33.528,36.156)
Curr_Inductor-: R420.4 U610.8 | length 7
  L1_Top w0.2: v1(35.814,31.242) 35.835,31.222 36.978,31.222 U610.8@36.998,31.201 ; v1(35.814,36.068) 35.814,36.533 R420.4@36.173,36.892
  L14_Bot w0.2: v1(35.814,31.242) v1(35.814,36.068)
Curr_Out+: R103.3 R515.1 R631.1 TP601.1 | length 58.2
  L1_Top w0.2: v1(50.22,26.217) 50.275,26.162 50.33,26.217 56.333,26.217 TP601.1@57.15,25.4 57.849,25.4 58.674,24.575 v1(58.674,24.13) ; v1(50.22,68.144) R515.1@51.054,68.144 ; R631.1@57.84,21.336 v1(58.674,21.336) 60.064,21.336 60.514,20.886 R103.3@60.514,20.679
  L14_Bot w0.2: v1(50.22,26.217) v1(50.22,68.144) ; v1(58.674,21.336) v1(58.674,24.13)
Curr_Out-: C514.1 R103.4 R514.2 R633.1 TP602.1 | length 86
  L1_Top w0.2: TP602.1@55.118,14.732 55.918,14.732 56.743,15.557 56.743,16.294 57.84,17.391 R633.1@57.84,17.526 v1(59.436,17.526) 60.111,17.526 R103.4@60.514,17.929 ; v1(59.563,22.733) v1(63.373,22.733) ; v1(63.5,81.788) 63.662,81.788 63.916,82.042 70.747,82.042 71.628,81.161 R514.2@71.628,81.026 C514.1@71.628,79.248
  L14_Bot w0.2: v1(59.436,17.526) 59.436,17.688 59.69,17.942 59.69,22.444 59.563,22.571 v1(59.563,22.733) ; v1(63.373,22.733) 63.436,22.796 63.436,81.724 v1(63.5,81.788)
Curr_Thresh: C505.2 R504.2 R505.2 TP504.1 U500.5 U500.9 | length 17.3
  L1_Top w0.2: R504.2@42.672,89.48 R505.2@45.72,89.48 ; TP504.1@43.942,86.868 TP504.1@44.196,87.122 ; C505.2@44.196,89.37 TP504.1@44.196,87.122 ; U500.5@55.478,86.756 52.965,86.756 52.315,87.406 U500.9@49.678,87.406 44.48,87.406 TP504.1@44.196,87.122